# Altium PCB NixieClock_B2.PcbDoc
Units mm, origin at the board's own origin, x right, y up, seen from the top; angles counter-clockwise.
Board outline 180 x 50 mm, 2 copper layers (Top Layer, Bottom Layer); 81 components, 66 nets, 292 pads, 65 vias.
Unrouted connection lines stored in the file: 91.
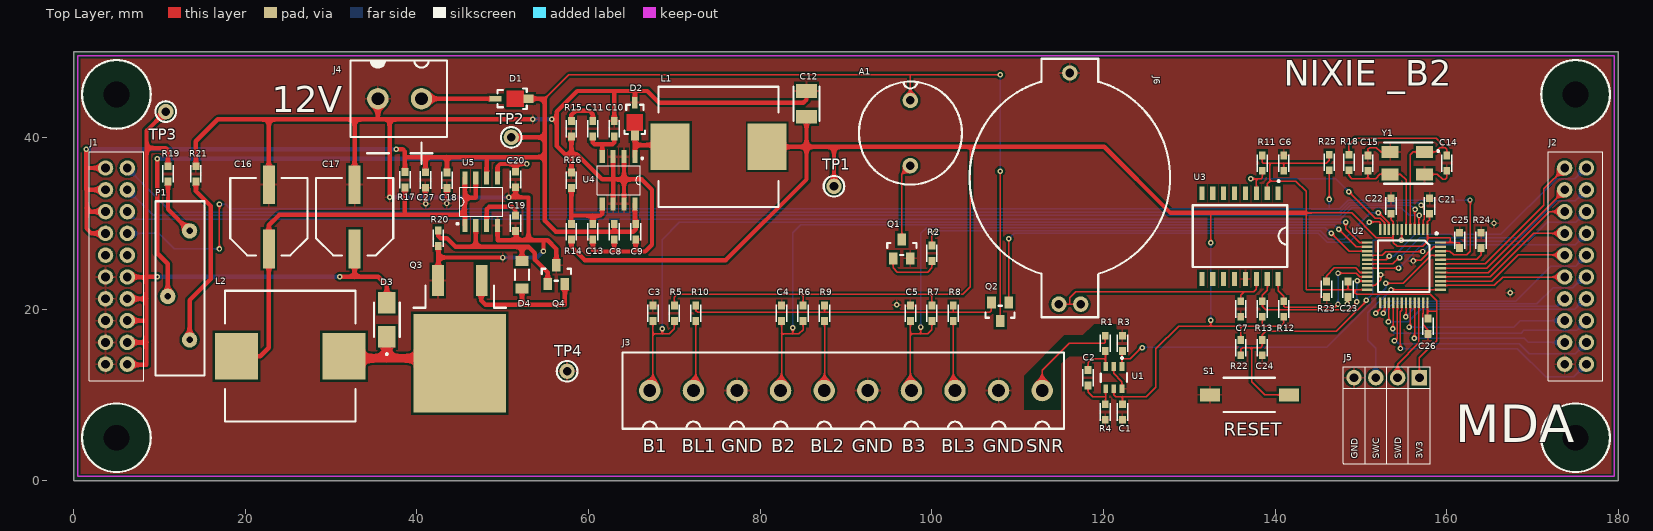
[diagram p0: Top Layer view]
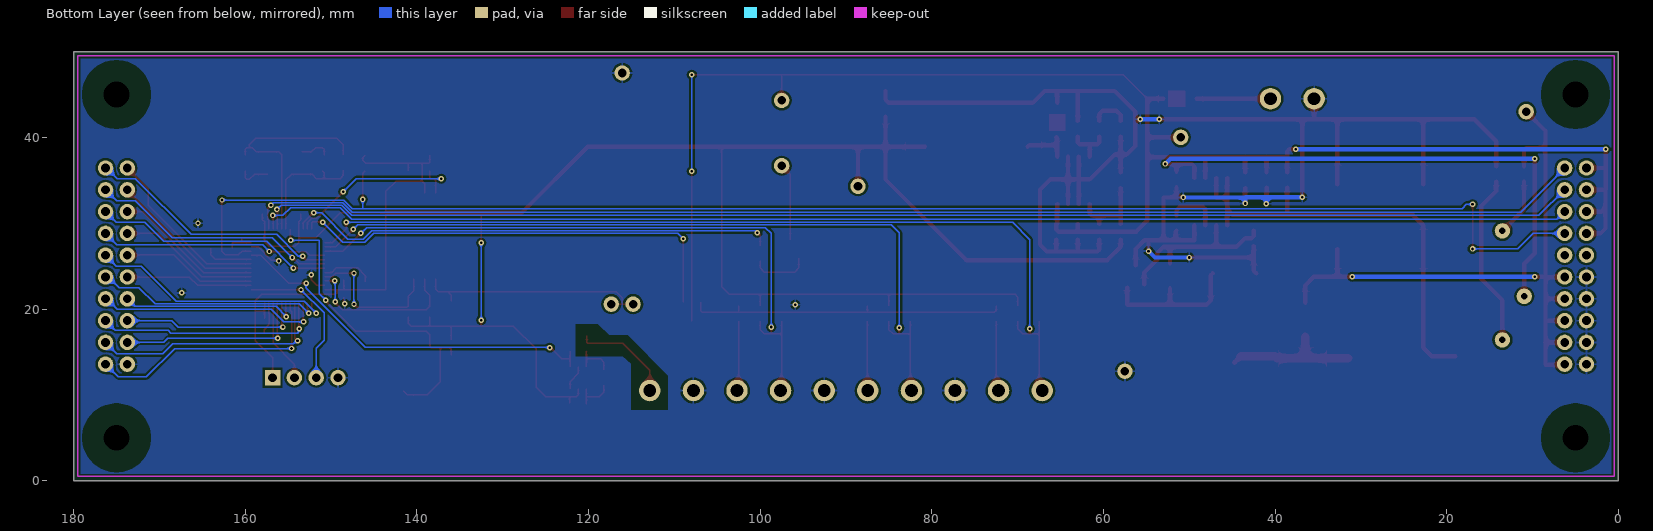
[diagram p1: Bottom Layer view, seen from below]
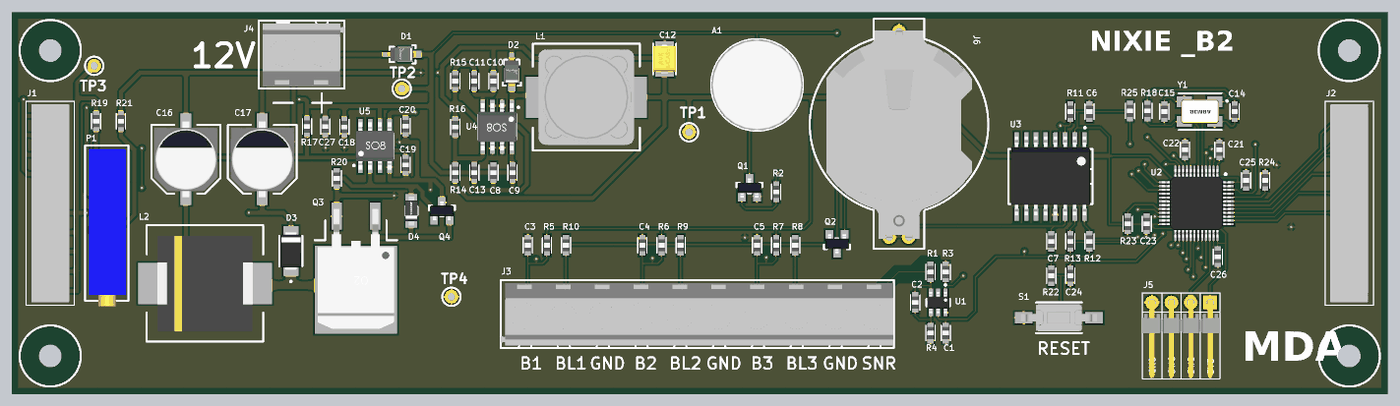
[diagram p2: 3D render of the assembled board from above, using the file's embedded part models]

## Layer stack, top to bottom
Top Solder: solder mask 0.0102, Solder Resist, Dk 3.5
Top Layer: signal copper 0.0356
Dielectric 1: dielectric 0.32, FR-4, Dk 4.8
Bottom Layer: signal copper 0.0356
Bottom Solder: solder mask 0.0102, Solder Resist, Dk 3.5

## Board outline
0,0 180,0 180,50 0,50

## Design rules (kind name [scope] priority, off if disabled: settings)
Clearance TopPolygon [InNamedPolygon('Top Layer-No Net')] p1: gap=0.254 ignorepadtopadclearanceinfootprint=FALSE
Clearance BottomPolygon [InNamedPolygon('Bottom Layer-No Net')] p2: gap=0.254 ignorepadtopadclearanceinfootprint=FALSE
Clearance [All] p3: gap=0.152 ignorepadtopadclearanceinfootprint=FALSE
HoleSize [All] p1: absolutevalues=TRUE maxlimit=3.175 minlimit=0.025 maxpercent=80.000 minpercent=20.000
PolygonConnect [All] p1: connectstyle=Relief reliefconductorwidth=0.254 reliefentries=4 polygonreliefangle="90 Angle" airgapwidth=0.254
RoutingVias [All] p1: holewidth=0.305 width=0.635 viastyle="Through Hole" minholewidth=0.305 minwidth=0.635 maxholewidth=0.305 maxwidth=0.635
SilkToSolderMaskClearance [IsPad] p1: minsilkscreentomaskgap=0.051 clearancetoexposedcopper=TRUE
SolderMaskExpansion [All] p1: expansion=0.102
Width [All] p1: maxlimit=1.27 minlimit=0.152 preferedwidth=0.508
28 further rules are at their usual default settings.

## Classes and differential pairs
component class nixie_power: A2 C8 C9 C10 C11 C12 C13 C14 C15 C16 C17 C18 C19 C20 C21 C22 C23 C24 C25 C26 C27 D1 D2 D3 D4 J4 J5 J6 L1 L2 P1 Q3 Q4 R14 R15 R16 R17 R18 R19 R20 R21 R22 R23 R24 S1 TP1 TP2 TP3 TP4 U2 U4 U5 Y1
component class nixie_peripherals: A1 C1 C2 C3 C4 C5 C6 C7 J1 J2 J3 Q1 Q2 R1 R2 R3 R4 R5 R6 R7 R8 R9 R10 R11 R12 R13 R25 U1 U3

## Components (designator, comment, footprint, x,y, rotation, side; value= is the part's Value field where it differs from the comment)
A1 "BUZZER" BUZZER 97.5,40.5 r0 top
C1 "100nF 16V" 0603 122.2,8 r270 top
C2 "2.2nF 16V" 0603 118.2,12 r270 top
C3 "1uF 16V" 0603 67.5,19.5 r270 top
C4 "1uF 16V" 0603 82.5,19.5 r270 top
C5 "1uF 16V" 0603 97.5,19.5 r270 top
C6 "100nF 16V" 0603 141,37 r270 top
C7 "100nF 16V" 0603 136,20 r90 top
C8 "10uF 16V" 0603 63,29 r90 top
C9 "100nF 16V" 0603 65.5,29 r90 top
C10 "100pF 16V" 0603 63,41 r270 top
C11 "15nF 16V" 0603 60.5,41 r270 top
C12 "47uF  4V" AVX-B-CASE 85.4,43.9 r90 top
C13 "10nF 16V" 0603 60.5,29 r90 top
C14 "22pF 16V" 0603 160,37 r90 top
C15 "22pF 16V" 0603 150.8,37 r270 top
C16 "220uF  16V" CAP-SIZE-F 22.75,30.75 r180 top
C17 "2.2uF  250V" CAP-SIZE-F 32.75,30.75 r180 top
C18 "100nF 16V" 0603 43.5,35 r90 top
C19 "1nF 16V" 0603 51.5,30 r90 top
C20 "10nF 16V" 0603 51.5,35.1 r90 top
C21 "100nF 16V" 0603 158,32 r90 top
C22 "100nF 16V" 0603 153.5,32 r90 top
C23 "100nF 16V" 0603 148.5,22.3 r270 top
C24 "1uF 16V" 0603 138.5,15.5 r90 top
C25 "100nF 16V" 0603 161.5,28 r90 top
C26 "100nF 16V" 0603 157.8,18 r270 top
C27 "10uF 16V" 0603 40.996,35.027 r90 top
D1 "STPS1L20MF" DO-222AA 51,44.5 r0 top
D2 "STPS1L20MF" DO-222AA 65.4,42.2 r270 top
D3 "US1G-13-f" SMA 36.5,18.75 r90 top
D4 "BAS16H" SOD-123F 52.25,24 r90 top
J1 "PIN_2X10" PIN_2X10_SKT 5,25 r270 top
J2 "PIN_2X10" PIN_2X10_SKT 175,25 r270 top
J3 "HEADERx10" HEADERx10 90,10.5 r0 top
J4 "Vin" HEADERx2_POL 38,44.5 r180 top
J5 "JTAG" PIN_1X4_HDR_RA 153,12 r0 top locked
J6 "BAT" 120591-1 116.078,34.036 r180 top locked
L1 "150uH  10%" SRR1240 75.15,38.9 r0 top
L2 "220uH  20%" 12.5x12.5 25.25,14.5 r0 top
P1 "250Ω   10N" 3006P 12.25,22.75 r270 top
Q1 "MMBTA42" SOT-23 96.5,27 r0 top
Q2 "MMBTA42" SOT-23 107.95,19.685 r180 top
Q3 "IRF644s" TO263-3S 45,18.75 r180 top
Q4 "MMBTA92" SOT-23 56.25,24 r0 top
R1 "10KΩ   1%" 0603 120.2,16 r270 top
R2 "33KΩ   1%" 0603 100,26.5 r90 top
R3 "100KΩ   1%" 0603 122.2,16 r270 top
R4 "1MΩ   1%" 0603 120.2,8 r270 top
R5 "10KΩ   1%" 0603 70,19.5 r90 top
R6 "10KΩ   1%" 0603 85,19.5 r90 top
R7 "10KΩ   1%" 0603 100,19.5 r90 top
R8 "470Ω   1%" 0603 102.5,19.5 r270 top
R9 "470Ω   1%" 0603 87.5,19.5 r270 top
R10 "470Ω   1%" 0603 72.5,19.5 r270 top
R11 "4.7KΩ   1%" 0603 138.5,37 r90 top
R12 "4.7KΩ   1%" 0603 141,20 r270 top
R13 "4.7KΩ   1%" 0603 138.5,20 r270 top
R14 "9.1KΩ   1%" 0603 58,29 r270 top
R15 "13KΩ   1%" 0603 58,41 r90 top
R16 "5.49KΩ   1%" 0603 58,35 r90 top
R17 "10mΩ   1%" 0603 38.608,35.052 r270 top
R18 "1MΩ   1%" 0603 148.59,37.084 r90 top
R19 "680KΩ   1%" 0603 11,35.75 r90 top
R20 "1KΩ   1%" 0603 42.5,28.25 r90 top
R21 "4.64KΩ   1%" 0603 14.25,35.75 r270 top
R22 "10KΩ   1%" 0603 136,15.5 r90 top
R23 "10KΩ   1%" 0603 146,22.3 r90 top
R24 "10KΩ   1%" 0603 164,28 r270 top
R25 "10KΩ   1%" 0603 146.304,37.084 r270 top
S1 "RESET" FSMSM 137,10 r180 top
TP1 "TEST-POINT" Test_Point 88.6,34.3 r0 top
TP2 "TEST-POINT" Test_Point 51,40 r0 top
TP3 "TEST-POINT" Test_Point 10.75,43 r0 top
TP4 "TEST-POINT" Test_Point 57.5,12.75 r0 top
U1 "AT42QT1012" SOT-23-6 121.2,12 r180 top
U2 "STM32F103C8T6" LQFP48 155,25 r180 top
U3 "DS3231" SO16W 135.905,28.5 r180 top
U4 "A5972D" SOIC-8 63.5,35 r180 top
U5 "MC34063" SOIC-8 47.5,32.5 r0 top
Y1 "8MHz" ABM3B 155.5,37 r180 top

## Footprints (in the part's own frame and the unit in brackets; to place one, negate y for a bottom-side part, rotate by r counter-clockwise, add the part's x,y. Pads: shape width x height; smd on the part's side, far side on the other; paste and mask are expansions set on the pad)
12.5x12.5 [mm]
  rect 5x5.4 smd: 1(-6.25,0) 2(6.25,0)
  silkscreen extent -7.62,-7.62 7.62,7.62, body extent -6.25,-6.25 6.25,6.25, height 8
0603 [mm]
  rect 0.9x0.8 smd: 1(-0.9,0) 2(0.9,0)
  silkscreen extent -1,-0.6 1,0.6, body extent -0.8,-0.43 0.8,0.43, height 0.83
3006P [mm]
  round 1.8 hole 0.75: 1(6.35,1.27) 2(1.27,-1.27) 3(-6.35,1.27)
  silkscreen extent -9.8,-2.7 10.5,3, body extent -9.32,-2.21 11.25,2.61, height 7.17
120591-1 [mm]
  round 1.8 hole 1: 1(-1.27,13.462) 1(1.27,13.462) 2(0,-13.462)
  silkscreen extent -11.68,-15.11 11.68,14.99, body extent -9.53,-13.61 9.53,13.69, height 6.15
ABM3B [mm]
  rect 2x1.4 smd: 1(-1.9,-1.3) 2(2.1,1.3) 3(-1.9,1.3) 3(2.1,-1.3)
  silkscreen extent -3.6,-2.4 2.8,2.4, body extent -2.47,-1.63 2.53,1.57, height 1.2
AVX-B-CASE [mm]
  rect 1.6x2.4 smd: 1(1.5,0) 2(-1.5,0)
  silkscreen extent -2,-1.5 2,1.5, body extent -1.85,-1.47 1.85,1.47, height 2.03
BUZZER [mm]
  round 1.8 hole 1: 1(0,3.8) 2(0,-3.8)
  silkscreen extent -6,-6 6,6, body extent -5.99,-6 5.99,6, height 7.5
CAP-SIZE-F [mm]
  rect 1.4x4.5 smd: 1(0,-3.75) 2(0,3.75)
  silkscreen extent -4.5,-4.5 4.5,4.5, body extent -4.15,-4.95 4.15,4.95, height 10.21
DO-222AA [mm]
  rect 1.35x0.65 smd: 1(-1.84,0)
  rect 1.15x0.95 smd: 2(2,0)
  Top Layer region: -0.535,-0.975 1.465,-0.975 1.465,0.975 -0.535,0.975
  silkscreen extent -1.6,-1.2 1.8,1.2, body extent -1.9,-0.95 1.9,0.95, height 0.85
FSMSM [mm]
  rect 2.3x1.5 smd: 1(-4.6,0) 2(4.6,0)
  silkscreen extent -3,-2 3,2, body extent -4.98,-1.75 4.98,1.75, height 4.4
HEADERx2_POL [mm]
  round 2.5 hole 1.5: 1(-2.54,0) 2(2.54,0)
  silkscreen extent -5.5,-4.45 5.72,7.62, body extent -5.58,-4 5.18,4.2, height 10.25
HEADERx10 [mm]
  round 2.5 hole 1.5: 1(-22.86,0) 2(-17.78,0) 3(-12.7,0) 4(-7.62,0) 5(-2.54,0) 6(2.54,0) 7(7.62,0) 8(12.7,0) 9(17.78,0) 10(22.86,0)
  silkscreen extent -26.04,-4.44 25.4,4.44, body extent -26.08,-4.14 25.32,4.06, height 9.79
LQFP48 [mm]
  rect 0.28x1.25 smd: 1(-2.75,-4.274) 2(-2.25,-4.274) 3(-1.75,-4.274) 4(-1.25,-4.274) 5(-0.75,-4.274) 6(-0.25,-4.274) 7(0.25,-4.274) 8(0.75,-4.274) 9(1.25,-4.274) 10(1.75,-4.274) 11(2.25,-4.274) 12(2.75,-4.274) 25(2.75,4.274) 26(2.25,4.274) 27(1.75,4.274) 28(1.25,4.274) 29(0.75,4.274) 30(0.25,4.274) 31(-0.25,4.274) 32(-0.75,4.274) 33(-1.25,4.274) 34(-1.75,4.274) 35(-2.25,4.274) 36(-2.75,4.274)
  rect 1.25x0.28 smd: 13(4.274,-2.75) 14(4.274,-2.25) 15(4.274,-1.75) 16(4.274,-1.25) 17(4.274,-0.75) 18(4.274,-0.25) 19(4.274,0.25) 20(4.274,0.75) 21(4.274,1.25) 22(4.274,1.75) 23(4.274,2.25) 24(4.274,2.75) 37(-4.274,2.75) 38(-4.274,2.25) 39(-4.274,1.75) 40(-4.274,1.25) 41(-4.274,0.75) 42(-4.274,0.25) 43(-4.274,-0.25) 44(-4.274,-0.75) 45(-4.274,-1.25) 46(-4.274,-1.75) 47(-4.274,-2.25) 48(-4.274,-2.75)
  silkscreen extent -3.94,-3.94 3,3, body extent -4.5,-4.5 4.5,4.5, height 1.6
PIN_1X4_HDR_RA [mm]
  rect 1.8x1.8 hole 1.02: 1(3.81,0)
  round 1.8 hole 1.02: 2(1.27,0) 3(-1.27,0) 4(-3.81,0)
  silkscreen extent -5.08,-10 5.08,1.25, body extent -5.08,-9.88 5.08,0.34, height 3.27
PIN_2X10_SKT [mm]
  round 1.8 hole 1.02: 1(-11.43,-1.27) 2(-8.89,-1.27) 3(-6.35,-1.27) 4(-3.81,-1.27) 5(-1.27,-1.27) 6(1.27,-1.27) 7(3.81,-1.27) 8(6.35,-1.27) 9(8.89,-1.27) 10(11.43,-1.27) 11(-11.43,1.27) 12(-8.89,1.27) 13(-6.35,1.27) 14(-3.81,1.27) 15(-1.27,1.27) 16(1.27,1.27) 17(3.81,1.27) 18(6.35,1.27) 19(8.89,1.27) 20(11.43,1.27)
  silkscreen extent -13.33,-3.18 13.33,3.17, body extent -12.95,-2.48 12.95,2.48, height 8.51
SMA [mm]
  rect 2.5x2 smd: 1(-2,0) 2(2,0)
  silkscreen extent -4.1,-1.5 2,1.5, body extent -2.5,-1.35 2.5,1.35, height 2.15
SO16W [mm]
  rect 0.6x1.6 smd: 1(-4.445,-5) 2(-3.175,-5) 3(-1.905,-5) 4(-0.635,-5) 5(0.635,-5) 6(1.905,-5) 7(3.175,-5) 8(4.445,-5) 9(4.445,5) 10(3.175,5) 11(1.905,5) 12(0.635,5) 13(-0.635,5) 14(-1.905,5) 15(-3.175,5) 16(-4.445,5)
  silkscreen extent -5.5,-6.5 5.5,3.6, body extent -5.16,-5.25 5.17,5.06, height 2.48
SOD-123F [mm]
  rect 1.2x1.5 smd: 1(1.6,0) 2(-1.6,0)
  silkscreen extent -0.6,-0.8 0.6,0.8, body extent -1.9,-0.85 1.85,0.85, height 1.2
SOIC-8 [mm]
  rect 0.6x1.52 smd: 1(-1.905,-2.76) 2(-0.635,-2.76) 3(0.635,-2.76) 4(1.905,-2.76) 5(1.905,2.76) 6(0.635,2.76) 7(-0.635,2.76) 8(-1.905,2.76)
  silkscreen extent -2.86,-2.66 2.5,1.7, body extent -2.5,-3.1 2.5,3.1, height 1.75
SOT-23 [mm]
  rect 1x1.4 smd: 1(-1,-1.1) 2(1,-1.1) 3(0,1.1)
  silkscreen extent -1.7,-0.7 1.7,0.7, body extent -1.5,-1.25 1.5,1.25, height 1.15
SOT-23-6 [mm]
  rect 0.55x1 smd: 1(-0.95,-1.3) 2(0,-1.3) 3(0.95,-1.3) 4(0.95,1.3) 5(0,1.3) 6(-0.95,1.3)
  silkscreen extent -1.52,-2.4 1.52,0.51, body extent -1.45,-1.4 1.45,1.4, height 1.45
SRR1240 [mm]
  rect 4.5x5.4 smd: 1(-5.65,0) 2(5.65,0)
  silkscreen extent -7,-7 7,7, body extent -6.25,-6.25 6.25,6.25, height 4
Test_Point [mm]
  round 1.8 hole 1: 1(0,0)
  silkscreen extent -1.2,-1.2 1.2,1.2
TO263-3S [mm]
  rect 1.35x3.6 smd: 1(-2.54,-4.575) 2(2.54,-4.575)
  rect 10.8x11.5 smd: 3(0,5.075)
  silkscreen extent -5.4,-4 5.4,-1.4, body extent -5,-5.49 5,10.18, height 4.78

## Part data
C1 C2 C3 C4 C5 C6 C7 C8 C9 C10 C11 C13 C14 C15 C18 C19 C20 C21 C22 C23 C24 C25 C26 C27: library part CAP
C12 C16 C17: library part CAP_pol
D1 D2 D3 D4: library part DIO
J1 J2: "SSW-110-01-L-D", System=Connector
J3: "1-282837-0"
J4: "282837-2"
J5: "TSW-104-08-F-S-RA"
J6: "CR2032"
L1: library part IND, "SRR1240"
L2: library part IND, "B82477P4"
P1: library part POTE
Q1 Q2: library part NPN
Q3: library part N-MOS
Q4: library part PNP
R1 R2 R3 R4 R5 R6 R7 R8 R9 R10 R11 R12 R13 R14 R15 R16 R17 R18 R19 R20 R21 R22 R23 R24 R25: library part RES
S1: library part BUTTON
Y1: library part Cristal, "ABM3B"

## Free pads (board coordinates)
  round 0 hole 3 unplated: 0(5,5) 0(5,45) 0(175,5) 0(175,45)

## Via types
v1: diameter 0.635, hole 0.305, Top Layer to Bottom Layer, tented both sides, 65 vias

## Nets (pads, with @x,y where several pads share a name; then routed paths per layer and width w, separated by ;. In a path a pad name is that pad's centre, name@x,y a point inside that pad or via, vN(x,y) a via of type N, cw(c..) or ccw(c..) an arc to the next point about the centre after c; other vN are vias at no path point)
3V: C7.2 J6.1 U3.14 | length 29.2
  Top Layer w0.152: J6.1@114.808,20.574 116.078,20.574 ; J6.1@116.586,20.32 J6.1@117.856,20.32 ; J6.1@117.348,20.574 116.078,20.574 ; C7.2 136,21.6 136.4,22 ; U3.14 137.81,22.31 137.5,22 136.4,22 ; 116.078,20.574 116.078,21.336 116.742,22 136.4,22
3V3: C1.1 C6.2 C12.2 C21.1 C22.1 C23.1 C25.1 C26.1 J5.1 L1.2 R5.2 R6.2 R7.2 R11.2 R12.2 R13.2 R14.2 R22.2 R25.1 TP1.1 U1.5 U2.1 U2.9 U2.24 U2.36 U2.48 U3.2 | length 299.9
  Top Layer w0.152: R5.2 70,21.4 70.3,21.7 85,21.7 ; R6.2 85,21.7 ; R7.2 100,21.7 ; 104.5,38.9 104.5,22.575 103.625,21.7 100,21.7 ; U1.5 121.2,10 121.4,9.8 122.2,9.8 ; C1.1@122.2,9 122.2,9.8 ; v1(132.5,18.7) 132.5,18 ; v1(132.5,27.7) 132.5,31.1 132.6,31.2 ; R22.2 136,18 ; 138.5,18 R13.2 ; R11.2 138.5,37.1 138.6,37 139.4,37 ; U3.2 139.08,34.58 139.4,34.9 ; 139.675,31.2 139.725,31.15 ; R12.2 141,18.35 140.65,18 136,18 ; C6.2 141,37 ; 143.5,31.2 148.9,31.2 151.8,28.3 153.75,28.3 ; R25.1@146,37.9 146.304,37.596 146.304,37.338 145.966,37 139.4,37 ; C23.1@148.5,23.4 148.5,22.25 ; U2.24 149.3,22.25 ; C22.1 153.5,30.4 153.75,30.15 U2.9 153.75,28.3 ; J5.1 156.81,14.31 158.81,16.31 158.81,20.99 158.1,21.7 149.5,21.7 149.3,21.9 149.3,22.25 ; U2.36 157.75,19.75 ; C26.1 157.75,18.95 157.75,19.75 ; C21.1 158,30.4 157.75,30.15 U2.1 157.75,28.3 ; 158.8,19.75 157.75,19.75 ; U2.48 160.4,27.75 ; C25.1 161.5,27.7 161.45,27.75 160.4,27.75 ; 85,21.7 100,21.7 ; 122.2,9.8 125,9.8 126.1,10.9 126.1,15.35 128.75,18 132.5,18 ; 132.5,18 136,18 ; 139.4,34.9 142.4,34.9 143.6,33.7 143.6,22.3 143.65,22.25 148.5,22.25 ; 139.4,34.9 139.4,37 ; 148.5,22.25 149.3,22.25 ; 153.75,28.3 153.75,27.75 154.2,27.3 157.2,27.3 157.75,27.85 157.75,28.3 ; 157.75,28.3 160.4,28.3 160.4,27.75
  Top Layer w0.508: R14.2 58,27.25 59.55,25.7 76,25.7 85.4,35.1 85.4,38.9 ; L1.2 85.4,38.9 ; C12.2 85.4,38.9 ; TP1.1 88.6,38.9 ; 143.5,31.2 139.675,31.2 132.6,31.2 127.8,31.2 120.1,38.9 104.5,38.9 88.6,38.9 ; 85.4,38.9 88.6,38.9
  Bottom Layer w0.152: v1(132.5,18.7) v1(132.5,27.7)
12V: A1.1 C8.2 C9.2 C18.2 C27.2 D1.2 J1.1 J1.2 J1.3 J1.4 Q2.3 R17.1 TP2.1 U4.8 U5.6 | length 201.7
  Top Layer w0.152: 54.9,44.5 57.7,47.3 97.5,47.3 ; A1.1 97.5,47.3 ; Q2.3 v1(107.95,36.068) ; v1(107.95,47.3) 97.5,47.3
  Top Layer w0.508: 1.5,33.9 1.5,36.4 ; v1(1.5,38.6) 1.5,36.4 ; J1.4 2.09,28.81 1.51,29.39 1.51,31.79 ; J1.3 1.95,31.35 1.51,31.79 ; J1.2 1.51,33.89 1.51,31.79 ; J1.1 1.53,36.43 1.5,36.4 ; v1(37.592,38.608) 38.354,38.608 38.608,38.354 38.608,37.719 ; R17.1 38.608,37.719 ; C27.2@41,35.9 41,37.7 ; C18.2 43.5,37.7 ; U5.6 48.135,37.635 48.2,37.7 ; TP2.1 54.9,40 ; D1.2 54.9,44.5 54.9,40 ; C8.2 63,29.3 63.3,29 ; U4.8 65.405,29.995 C9.2 65.5,29.3 65.2,29 63.3,29 ; 38.608,37.719 38.627,37.7 41,37.7 ; 41,37.7 43.5,37.7 ; 43.5,37.7 48.2,37.7 ; 48.2,37.7 54.9,37.7 ; 54.9,37.7 54.9,30.3 56.2,29 63.3,29 ; 54.9,37.7 54.9,40
  Bottom Layer w0.152: v1(107.95,36.068) v1(107.95,47.3)
  Bottom Layer w0.508: v1(1.5,38.6) 37.584,38.6 v1(37.592,38.608)
180V: C17.2 D3.2 J1.16 J1.17 J1.18 J1.19 J1.20 R19.2 TP3.1 | length 79.6
  Top Layer w0.508: J1.20 6.34,13.5 8.5,13.5 8.5,18.7 ; J1.19 8.515,16.11 ; J1.18 8.4,18.65 8.5,18.75 8.5,21.19 ; J1.17 8.5,21.19 ; J1.16 8.5,23.73 ; v1(9.75,23.75) 8.5,23.75 ; TP3.1@10.625,42.875 8.5,40.75 8.5,38.75 ; R19.2 11,38.5 10.75,38.75 8.5,38.75 ; v1(31,23.75) 35.5,23.75 36.5,22.75 D3.2 ; 32.75,23.75 C17.2 ; 8.5,21.19 8.5,23.73 ; 8.5,23.73 8.5,23.75 ; 8.5,23.75 8.5,38.75
  Bottom Layer w0.508: v1(9.75,23.75) v1(31,23.75)
ALARM: R11.1 U2.11 U3.3 | length 22.3
  Top Layer w0.152: v1(137.175,35.175) 137.81,35.175 ; U3.3 137.81,35.175 ; R11.1 138.5,35.3 138.375,35.175 137.81,35.175 ; v1(148.59,33.66) 151.675,30.575 152.225,30.575 152.75,30.05 U2.11
  Bottom Layer w0.152: v1(137.175,35.175) 147.075,35.175 v1(148.59,33.66)
B-: A1.2 Q1.3 | length 9
  Top Layer w0.152: Q1.3 96.5,35.7 A1.2
B_SENSE: R3.2 U1.1 U2.45 | length 44.4
  Top Layer w0.152: U1.1 122.15,14.2 ; R3.2 122.15,15.05 122.15,14.2 ; v1(124.5,15.5) 124.4,15.5 123.1,14.2 122.15,14.2 ; v1(152.9,23) 154.925,23 158.175,26.25 U2.45
  Bottom Layer w0.152: v1@124.425,15.525 146.025,15.525 152.9,22.4 v1(152.9,23)
BLUE: J1.13 U2.3 | length 153.5
  Top Layer w0.152: U2.3 156.75,30.85 v1(156.8,30.9)
  Bottom Layer w0.152: J1.13 7.17,30.45 147.564,30.45 148.9,31.786 154.714,31.786 155.6,30.9 v1(156.8,30.9)
BOARD_SELECTOR: J1.14 R25.2 U2.46 | length 177.4
  Top Layer w0.152: v1(17,27) v1(17,32.2) v1@17,32.25 ; R25.2@146,36.1 146.304,35.796 v1(146.304,32.766) ; U2.46 160.35,26.75 160.8,26.3 162.3,26.3 162.75,26.75 162.75,32.7 v1(162.7,32.7)
  Bottom Layer w0.152: J1.14 9.94,28.81 11.75,27 v1(17,27) ; v1(17,32.2) 17.711,32.2 18.211,31.7 146.254,31.7 ; v1(146.304,32.766) 146.304,31.75 146.254,31.7 ; v1(162.7,32.7) 148.521,32.7 147.521,31.7 146.254,31.7
BOOT0: R24.2 U2.44 | length 5.8
  Top Layer w0.152: U2.44 159.324,25.8 163.5,25.8 164,26.3 R24.2
BOOT1: R23.2 U2.20 | length 6
  Top Layer w0.152: R23.2 146,23.9 146.9,24.8 149.375,24.8 149.925,24.25 U2.20
BUTTON_1: C3.2 J3.1 R5.1 U2.13 | length 107.2
  Top Layer w0.152: J3.1 67.5,10.86 67.5,17.1 ; C3.2 67.5,17.1 ; v1(68.6,17.7) 68.6,17.1 ; R5.1 70,17.7 69.4,17.1 68.6,17.1 ; v1(148.225,30.1) 148.225,29.375 149.85,27.75 U2.13 ; 67.5,17.1 68.6,17.1
  Bottom Layer w0.152: v1(68.6,17.7) 68.6,28.1 70.6,30.1 144.625,30.1 ; 144.65,30.1 v1(148.225,30.1)
BUTTON_2: C4.2 J3.4 R6.1 U2.14 | length 92
  Top Layer w0.152: J3.4 82.5,10.62 82.5,17.1 ; C4.2 82.5,17.1 ; v1(83.8,17.8) 83.8,17.1 ; R6.1 85,17.6 84.5,17.1 83.8,17.1 ; v1(147.425,29.275) 149.45,27.25 U2.14 ; 82.5,17.1 83.8,17.1
  Bottom Layer w0.152: v1(83.8,17.8) 83.8,28.895 84.7,29.795 146.905,29.795 v1(147.425,29.275)
BUTTON_3: C5.2 J3.7 R7.1 U2.15 | length 77.1
  Top Layer w0.152: C5.2 97.5,17.1 ; J3.7 97.5,10.62 97.5,17.1 ; v1(98.7,17.9) 98.7,17.1 ; R7.1 100,17.6 99.5,17.1 98.7,17.1 ; v1(146.55,28.825) 148.625,26.75 U2.15 ; 97.5,17.1 98.7,17.1
  Bottom Layer w0.152: v1(98.7,17.9) 98.7,28.8 99.39,29.49 145.835,29.49 146.55,28.775 v1(146.55,28.825)
BUTTON_L1: J3.2 R10.2 | length 8.2
  Top Layer w0.152: J3.2 72.5,10.78 R10.2
BUTTON_L2: J3.5 R9.2 | length 8.1
  Top Layer w0.152: J3.5 87.5,10.54 R9.2
BUTTON_L3: J3.8 R8.2 | length 8.2
  Top Layer w0.152: R8.2 102.5,10.7 J3.8
BUTTON_LIGHT: Q2.1 U2.12 | length 53.2
  Top Layer w0.152: Q2.1 v1(108.95,28.178) ; v1(150.975,30.125) 151.15,30.125 151.2,30.175 151.225,30.15 152.125,30.15 152.25,30.025 U2.12
  Bottom Layer w0.152: v1(108.95,28.178) 109.592,28.82 145.005,28.82 146.05,27.775 148.625,27.775 v1(150.975,30.125)
BUZZER: R2.2 U2.10 | length 57.8
  Top Layer w0.152: R2.2 100,28.575 v1(100.325,28.9) ; v1@152,31.325 v1@152,31.3 ; v1(152.025,31.225) 152,31.25 v1@152,31.3 ; U2.10 153.25,30.05 v1@152,31.3
  Bottom Layer w0.152: v1(100.325,28.9) 100.55,29.125 145.25,29.125 146.225,28.15 148.025,28.15 151.1,31.225 v1(152.025,31.225)
CP: C10.2 C11.2 U4.4 | length 5.4
  Top Layer w0.508: C11.2 60.5,39.4 60.7,39.2 61.595,39.2 U4.4 ; 61.7,39.2 62.8,39.2 63,39.4 C10.2
FB: C20.2 P1.2 U5.5 | length 65.6
  Top Layer w0.508: v1@9.756,37.506 v1(9.75,37.5) 9.75,26.5 10.98,25.27 P1.2 ; U5.5 49.405,36.605 49.7,36.9 51.5,36.9 ; C20.2 51.5,36.9 ; v1(52.8,36.9) 51.5,36.9
  Bottom Layer w0.508: v1(9.75,37.5) 52.2,37.5 v1(52.8,36.9)
FB2: C13.2 R14.1 R16.1 U4.5 | length 9.9
  Top Layer w0.508: R14.1 58,30.5 R16.1 ; 58.1,30.9 60.5,30.9 ; C13.2 60.5,30.9 ; U4.5 61.595,31.095 61.4,30.9 60.5,30.9
GATE: D4.2 Q3.1 Q4.2 | length 17.1
  Top Layer w0.508: Q3.1@47.29,24.15 47.5,23.94 47.5,21 48,20.5 52.25,20.5 ; D4.2 52.25,20.5 ; Q4.2@57.25,22.5 57.25,20.5 52.25,20.5
GND: C1.2 C3.1 C4.1 C5.1 C6.1 C7.1 C8.1 C9.1 C10.1 C12.1 C13.1 C14.1 C15.1 C16.1 C17.1 C18.1 C19.1 C20.1 C21.2 C22.2 C23.2 C24.1 C25.2 C26.2 C27.1 D2.1 J1.6 J1.7 J1.8 J1.9 J1.10 J2.10 J3.3 J3.6 J3.9 J4.2 J5.4 J6.2 Q1.2 Q3.2 Q4.3 R3.1 R4.2 R15.1 R16.2 R20.1 R21.1 R23.1 R24.1 S1.2 TP4.1 U1.2 U1.6 U2.8 U2.23 U2.35 U2.47 U3.13 U4.2 U4.3 U4.6 U4.7 U5.4 Y1.3 | length 237.9
  Top Layer w0.152: v1(95.9,20.5) v1@96,20.4 ; U1.2 121.2,12.5 122.15,11.55 U1.6 ; v1(148.4,20.6) 148.5,20.7 C23.2 ; U2.23 151.65,22.75 152.3,23.4 v1(152.3,24) ; C15.1 150.8,38.6 151,38.8 151.8,38.8 152.3,38.3 Y1.3@153.4,38.3 ; v1(156.1,25.6) 156.2,25.7 156.947,25.7 158.497,27.25 U2.47 ; U2.35 157.25,19.523 157.171,19.445 157.171,18.355 157.25,18.277 157.25,18.15 157.8,17.6 C26.2 ; Y1.3@157.4,35.7 158.9,35.7 159.5,35.1 159.8,35.1 160,35.3 C14.1
  Top Layer w0.508: R21.1 14.25,39.55 16.8,42.1 22.75,42.1 ; C16.1 22.75,42.1 ; C17.1 32.75,42.1 ; J4.2 35.46,42.14 35.5,42.1 ; v1(36.83,33.02) 36.83,42.1 ; C27.1 40.996,32.283 v1(41.021,32.258) ; Q3.2@42.21,24.15 42.5,24.44 42.5,26 ; R20.1 42.5,26 ; v1(43.5,32.3) C18.1 ; U5.4 49.405,28.005 51.6,28.005 ; v1(50,26) 42.5,26 ; v1(50.7,33) 51.5,33 ; C19.1 51.6,29 51.6,28.005 ; C20.1 51.5,33 ; v1(53.5,42.1) 38.25,42.1 36.83,42.1 ; v1(54.75,26.75) 54.75,28.005 ; v1(55.7,42.1) 56.3,42.1 ; Q4.3 56.25,27 55.245,28.005 54.75,28.005 ; R16.2 58,38 ; R15.1 58,38 ; C13.1 60.5,26.9 60.7,26.7 62.9,26.7 ; U4.6 62.865,35 62.965,35.1 ; U4.3 62.865,35.1 ; C8.1 63,26.8 62.9,26.7 ; C10.1 63,45.3 ; U4.7 64.135,35.1 ; U4.2 64.135,35.1 ; D2.1 65.4,45.2 65.2,45.4 ; C9.1 65.5,26.8 65.4,26.7 ; C12.1 85.4,44.4 85.025,44.025 68.225,44.025 66.85,45.4 65.2,45.4 ; 22.75,42.1 32.75,42.1 ; 32.75,42.1 35.5,42.1 ; 35.5,42.1 36.322,42.1 36.83,42.1 ; 51.5,33 53,33 53,28.005 ; 51.6,28.005 53,28.005 ; 53,28.005 54.75,28.005 ; 56.3,42.1 56.3,43 58.7,45.4 65.2,45.4 ; 56.3,42.1 56.3,39 57.3,38 58,38 ; 58,38 58.7,38 61.6,35.1 62.865,35.1 ; 62.865,35.1 62.965,35.1 ; 62.9,26.7 65.4,26.7 ; 62.965,35.1 64.135,35.1 ; 64.135,35.1 66.2,35.1 67.4,33.9 67.4,27.5 66.6,26.7 65.4,26.7
  Bottom Layer w0.508: v1(36.83,33.02) 41.021,33.02 ; v1(41.021,32.258) 41.021,33.02 ; v1(43.5,32.3) 43.5,33 ; v1(50,26) 54,26 v1(54.75,26.75) ; v1(50.7,33) 43.5,33 ; v1(53.5,42.1) v1(55.7,42.1) ; 41.021,33.02 43.48,33.02 43.5,33
  other v1: 167.4,21.9 165.5,30
GREEN: J1.12 U2.4 | length 154.3
  Top Layer w0.152: U2.4 156.25,31.55 v1(156.3,31.6)
  Bottom Layer w0.152: J1.12 9.26,30.9 147.583,30.9 148.774,32.09 155.81,32.09 v1(156.3,31.6)
I2C-SCL: R12.1 U2.21 U3.16 | length 17.1
  Top Layer w0.152: U3.16 140.35,22.15 141,21.5 R12.1 141,20.35 141.15,20.2 146.95,20.2 v1(147.325,20.575) ; v1(147.325,24.175) 149.45,24.175 149.875,23.75 U2.21
  Bottom Layer w0.152: v1(147.325,20.575) v1(147.325,24.175)
I2C-SDA: R13.1 U2.22 U3.15 | length 18.7
  Top Layer w0.152: U3.15 139.1,23.48 139.1,22.2 138.5,21.6 R13.1 138.5,20.3 138.905,19.895 148.67,19.895 149.525,20.75 v1(149.525,20.825) ; v1(149.55,23.275) 150.701,23.275 U2.22
  Bottom Layer w0.152: v1(149.525,20.825) 149.525,23.25 v1(149.55,23.275)
NC2: D2.2 L1.1 U4.1 | length 5.8
  Top Layer w0.508: U4.1 65.405,39.1 ; D2.2@65.5,40 65.405,39.905 65.405,39.1 ; L1.1@68.85,38.9 68.65,39.1 65.405,39.1
NCRL_1: J2.6 U2.38 | length 14.9
  Top Layer w0.152: U2.38 165.55,22.75 166.53,23.73 J2.6
NCRL_2: J2.5 U2.39 | length 15.7
  Top Layer w0.152: U2.39 165.25,23.25 168.3,26.3 173.7,26.3 J2.5
NCRL_3: J2.4 U2.40 | length 16.6
  Top Layer w0.152: U2.40 165.05,23.75 170.11,28.81 J2.4
NCRL_4: J2.3 U2.41 | length 17.4
  Top Layer w0.152: U2.41 164.85,24.25 171.95,31.35 J2.3
NCRL_5: J2.2 U2.42 | length 18.3
  Top Layer w0.152: U2.42 164.65,24.75 173.73,33.83 J2.2
NCRL_6: J2.1 U2.43 | length 20.2
  Top Layer w0.152: U2.43 164.45,25.25 171.3,32.1 171.3,34 J2.1
NDC: D3.1 L2.2 Q3.3 | length 16.2
  Top Layer w0.508: Q3.3@44,14.5 Q3.3@44.75,13.75
  Top Layer w1.016: L2.2@31.5,14.25 36.5,14.25 ; D3.1 36.5,14.25 ; Q3.3@44,14.5 40,14.5 39.75,14.25 36.5,14.25
NetQ2_2: Q2.2 R8.1 R9.1 R10.1 | length 37.8
  Top Layer w0.152: R10.1 72.5,19.8 72.7,19.6 87.5,19.6 ; R9.1 87.5,19.6 ; R8.1 102.5,19.6 ; Q2.2 106.934,20.769 106.934,19.812 106.722,19.6 102.5,19.6 ; 87.5,19.6 102.5,19.6
NIXIE_0: J2.14 U2.16 | length 26.6
  Top Layer w0.152: U2.16 152.45,26.25 152.9,26.7 v1(157.175,26.7)
  Bottom Layer w0.152: v1(157.175,26.7) 157.975,27.5 174.96,27.5 J2.14
NIXIE_1: J2.7 U2.31 | length 21
  Top Layer w0.152: v1(155.2,19.1) 155.25,19.15 U2.31
  Bottom Layer w0.152: v1(155.2,19.1) 156.395,20.295 172.835,20.295 J2.7
NIXIE_2: J2.8 U2.32 | length 21.4
  Top Layer w0.152: v1(155.6,17.9) 155.7,17.9 155.75,17.95 U2.32
  Bottom Layer w0.152: v1(155.6,17.9) 167.8,17.9 168.55,18.65 J2.8
NIXIE_3: J2.9 U2.33 | length 21.9
  Top Layer w0.152: v1(156.2,16.6) 156.25,16.65 U2.33
  Bottom Layer w0.152: v1(156.2,16.6) 169,16.6 169.49,16.11 J2.9
NIXIE_4: J2.20 U2.30 | length 29
  Top Layer w0.152: v1(154.6,15.4) 154.6,19.7 154.75,19.85 U2.30
  Bottom Layer w0.152: v1(154.6,15.4) 168.2,15.4 171.5,12.1 174.8,12.1 J2.20
NIXIE_5: J2.19 U2.29 | length 28.1
  Top Layer w0.152: v1(153.9,16.3) 154.25,16.65 U2.29
  Bottom Layer w0.152: v1(153.9,16.3) 154.02,16.3 154.374,15.946 168.454,15.946 169.6,14.8 174.96,14.8 J2.19
NIXIE_6: J2.18 U2.28 | length 26.6
  Top Layer w0.152: v1@153.75,17.7 U2.28
  Bottom Layer w0.152: v1(153.7,17.7) 153.7,17.4 153.9,17.2 168.657,17.2 168.979,17.521 175.141,17.521 J2.18
NIXIE_7: J2.17 U2.27 | length 26.7
  Top Layer w0.152: v1(153.2,18.5) 153.25,18.55 U2.27
  Bottom Layer w0.152: v1(153.2,18.5) 155.5,18.5 156.99,19.99 174.89,19.99 J2.17@176.09,21.19 ; J2.17@175.8,21.19 J2.17@176.09,21.19 ; J2.17 J2.17@176.09,21.19
NIXIE_8: J2.16 U2.26 | length 26.7
  Top Layer w0.152: v1(152.6,19.5) 152.75,19.65 U2.26
  Bottom Layer w0.152: v1(152.6,19.5) 153.7,20.6 170.5,20.6 172.4,22.5 174.7,22.5 175.93,23.73 J2.16
NIXIE_9: J2.15 U2.25 | length 28.8
  Top Layer w0.152: v1(151.7,19.5) 152.25,20.05 U2.25
  Bottom Layer w0.152: v1(151.7,19.5) 153.105,20.905 168.005,20.905 172.1,25 175,25 J2.15
NIXIE_P: J2.11 U2.17 | length 30
  Top Layer w0.152: U2.17 152.925,25.75 153.325,26.15 v1(153.3,26.15)
  Bottom Layer w0.152: v1(153.3,26.15) 153.8,26.15 156.35,28.7 166.3,28.7 172.8,35.2 174.9,35.2 176.13,36.43 J2.11
NIXIE_PL: J2.13 U2.19 | length 28.3
  Top Layer w0.152: U2.19 150.751,24.775 v1(154.375,24.775)
  Bottom Layer w0.152: v1(154.375,24.775) 157.5,27.9 169.5,27.9 171.7,30.1 175.02,30.1 J2.13
NIXIE_PR: J2.12 U2.18 | length 29.1
  Top Layer w0.152: U2.18 153.725,25.25 154.475,26 v1(154.525,26)
  Bottom Layer w0.152: v1(154.525,26) 156.825,28.3 168.5,28.3 172.8,32.6 174.98,32.6 J2.12
OSCIN: C14.2 R18.2 U2.5 Y1.1 | length 27.1
  Top Layer w0.152: R18.2 148.59,39.116 149.352,39.878 158.75,39.878 159.512,39.116 159.512,38.8 ; U2.5 155.75,37.95 156.1,38.3 Y1.1 158.7,38.3 159.2,38.8 159.512,38.8 ; C14.2 160,38.6 159.8,38.8 159.512,38.8
OSCOUT: C15.2 R18.1 U2.6 Y1.2 | length 14.7
  Top Layer w0.152: R18.1 148.59,35.56 148.95,35.2 150.8,35.2 ; C15.2@151,36.1 150.8,35.9 150.8,35.2 ; U2.6 155.25,35.05 154.6,35.7 Y1.2 152.2,35.7 151.7,35.2 150.8,35.2
R1: P1.3 R19.1 | length 6.8
  Top Layer w0.508: R19.1 11,31.62 P1.3
R2: P1.1 R21.2 | length 20.2
  Top Layer w0.508: P1.1 13.52,21.02 16,23.5 16,32 14.25,33.75 R21.2
R5: C11.1 R15.2 | length 4.4
  Top Layer w0.508: R15.2 58,42.6 58.5,43.1 60.1,43.1 60.5,42.7 C11.1
RED: J1.11 U2.2 | length 156.4
  Top Layer w0.152: v1(157,32.1) 157.346,31.754 157.346,30.446 157.25,30.35 U2.2
  Bottom Layer w0.152: J1.11 11.4,31.3 147.552,31.3 148.647,32.395 156.705,32.395 v1(157,32.1)
RESET: C24.2 R22.1 S1.1 U2.7 | length 39.5
  Top Layer w0.152: R22.1 136,15.3 136.2,15.5 137.25,15.5 ; S1.1@141.6,10.5 141.1,10 138.8,10 137.25,11.55 137.25,15.5 ; v1@150.673,20.948 147.125,17.4 138.9,17.4 138.5,17 C24.2 138.5,15.7 138.3,15.5 137.25,15.5 ; v1(154.7,28) 154.75,28.05 U2.7
  Bottom Layer w0.152: v1(150.595,21.026) 151.375,21.806 151.375,27.975 151.4,28 v1(154.7,28)
SNS: C2.2 R4.1 U1.4 | length 4.8
  Top Layer w0.152: C2.2 118.2,10.3 118.725,9.775 120.2,9.775 ; R4.1 120.25,8.95 U1.4
SNSK: C2.1 R1.2 U1.3 | length 4.9
  Top Layer w0.152: C2.1 118.2,13.8 118.6,14.2 120.25,14.2 ; R1.2 120.25,15.05 120.25,14.2 ; U1.3 120.25,14.2
SWC: C16.2 L2.1 R17.2 U5.1 U5.7 U5.8 | length 54.2
  Top Layer w0.508: L2.1 21.75,14.5 22.75,15.5 C16.2 22.75,29.75 23.988,30.988 38.583,30.988 ; R17.2 38.608,30.988 44.983,30.988 45.595,31.6 ; U5.1 45.595,31.6 ; U5.8 45.595,32.965 ; U5.7 46.865,32.965 45.595,32.965 ; 45.595,31.6 45.595,32.965
SWCLK: J5.3 U2.37 | length 17.5
  Top Layer w0.152: v1(153.5,22.25) U2.37
  Bottom Layer w0.152: J5.3 151.73,15.42 150.8,16.35 150.8,19.55 v1(153.5,22.25)
SWDIO: J5.2 U2.34 | length 9.8
  Top Layer w0.152: J5.2 154.27,13.57 156.75,16.05 U2.34
SWE: D4.1 Q4.1 R20.2 U5.2 | length 21.3
  Top Layer w0.508: R20.2 42.5,28.5 42.75,28.25 43.5,28.25 44.5,27.25 46.865,27.25 ; U5.2 46.865,27.25 ; D4.1@52.25,25.35 D4.1 52.25,27.25 ; Q4.1 55.25,24.25 53.75,25.75 53.75,26.5 53,27.25 52.25,27.25 ; 46.865,27.25 52.25,27.25
T-B: Q1.1 R2.1 | length 6.8
  Top Layer w0.152: Q1.1 95.5,24.8 96,24.3 99.5,24.3 100,24.8 R2.1
TC: C19.2 U5.3 | length 6.1
  Top Layer w0.508: U5.3 48.135,31.635 48.4,31.9 51.1,31.9 51.5,31.5 C19.2
TOUCH_SENSOR: J3.10 R1.1 | length 11.8
  Top Layer w0.152: J3.10 112.86,12.86 116,16 120.1,16 120.2,16.1 R1.1
VIN: D1.1 J4.1 | length 8.6
  Top Layer w0.508: J4.1 D1.1
pads on no net: J1.5 J1.15 U3.1 U3.4 U3.5 U3.6 U3.7 U3.8 U3.9 U3.10 U3.11 U3.12

## Polygon pours and split planes (outlines as drawn)
GND on Top Layer "Top Layer-No Net" (solid, pour order 0): 0.5,49.5 0.5,0.5 179.5,0.5 179.5,49.5
GND on Bottom Layer "Bottom Layer-No Net" (solid, pour order 2): 0.5,49.5 0.5,0.5 179.5,0.5 179.5,49.5

## Keep-outs
Keep-Out Layer:
  lines w0.152: 0.5,0.5 0.5,49.5 179.5,49.5 179.5,0.5 0.5,0.5

## Other copper
Top Layer:
  pour cut-out: 171,5 ccw(c175,5) 175,1 ccw(c175,5) 179,5 ccw(c175,5) 175,9 ccw(c175,5)
  pour cut-out: 171,45 ccw(c175,45) 175,41 ccw(c175,45) 179,45 ccw(c175,45) 175,49 ccw(c175,45)
  pour cut-out: 5,41 cw(c5,45) 1,45 cw(c5,45) 5,49 cw(c5,45) 9,45 cw(c5,45)
  pour cut-out: 5,1 cw(c5,5) 1,5 cw(c5,5) 5,9 cw(c5,5) 9,5 cw(c5,5)
  pour cut-out: 110.752,12.252 110.752,8.25 115,8.25 115,13.623 116,14.5 116.93,14.5 121.489,14.5 121.489,18.239 118.911,18.239 117.612,16.94 115.44,16.94
  pour cut-out: 117,13
Bottom Layer:
  pour cut-out: 5,41 cw(c5,45) 1,45 cw(c5,45) 5,49 cw(c5,45) 9,45 cw(c5,45)
  pour cut-out: 5,1 cw(c5,5) 1,5 cw(c5,5) 5,9 cw(c5,5) 9,5 cw(c5,5)
  pour cut-out: 171,5 ccw(c175,5) 175,1 ccw(c175,5) 179,5 ccw(c175,5) 175,9 ccw(c175,5)
  pour cut-out: 171,45 ccw(c175,45) 175,41 ccw(c175,45) 179,45 ccw(c175,45) 175,49 ccw(c175,45)
  pour cut-out: 110.752,12.252 110.752,8.25 115,8.25 115,13.623 116,14.5 121.489,14.5 121.489,18.239 118.911,18.239 117.612,16.94 115.44,16.94

## Silkscreen, mask and mechanical layers (free items; w line width, h text height)
Top Overlay:
  circle w0.254: c175,5 r4
  circle w0.254: c175,45 r4
  circle w0.254: c5,45 r4
  circle w0.254: c5,5 r4
  pour cut-out: 110.5,8.5
  text "NIXIE _B2" at 141,45 h5.08
  text "12V" at 23.1,42.9 h3.05
  text "RESET" at 134,5.25 h1.52
  text "B1" at 66.294,3.302 h1.52
  text "BL1" at 70.866,3.302 h1.52
  text "GND" at 75.438,3.302 h1.52
  text "B2" at 81.28,3.302 h1.52
  text "BL2" at 85.852,3.302 h1.52
  text "GND" at 90.678,3.302 h1.52
  text "B3" at 96.52,3.302 h1.52
  text "BL3" at 101.092,3.302 h1.52
  text "GND" at 105.918,3.302 h1.52
  text "SNR" at 110.998,3.302 h1.52
  text "MDA" at 161,3 h7.5
  text "GND" at 149.606,2.54 h0.76 r90
  text "SWC" at 152.146,2.54 h0.76 r90
  text "SWD" at 154.686,2.54 h0.76 r90
  text "3V3" at 157.226,2.54 h0.76 r90
Mechanical 1:
  the board outline again, w0.152